# Altium PCB 控制板.PcbDoc (part 5 of 12) (continued)
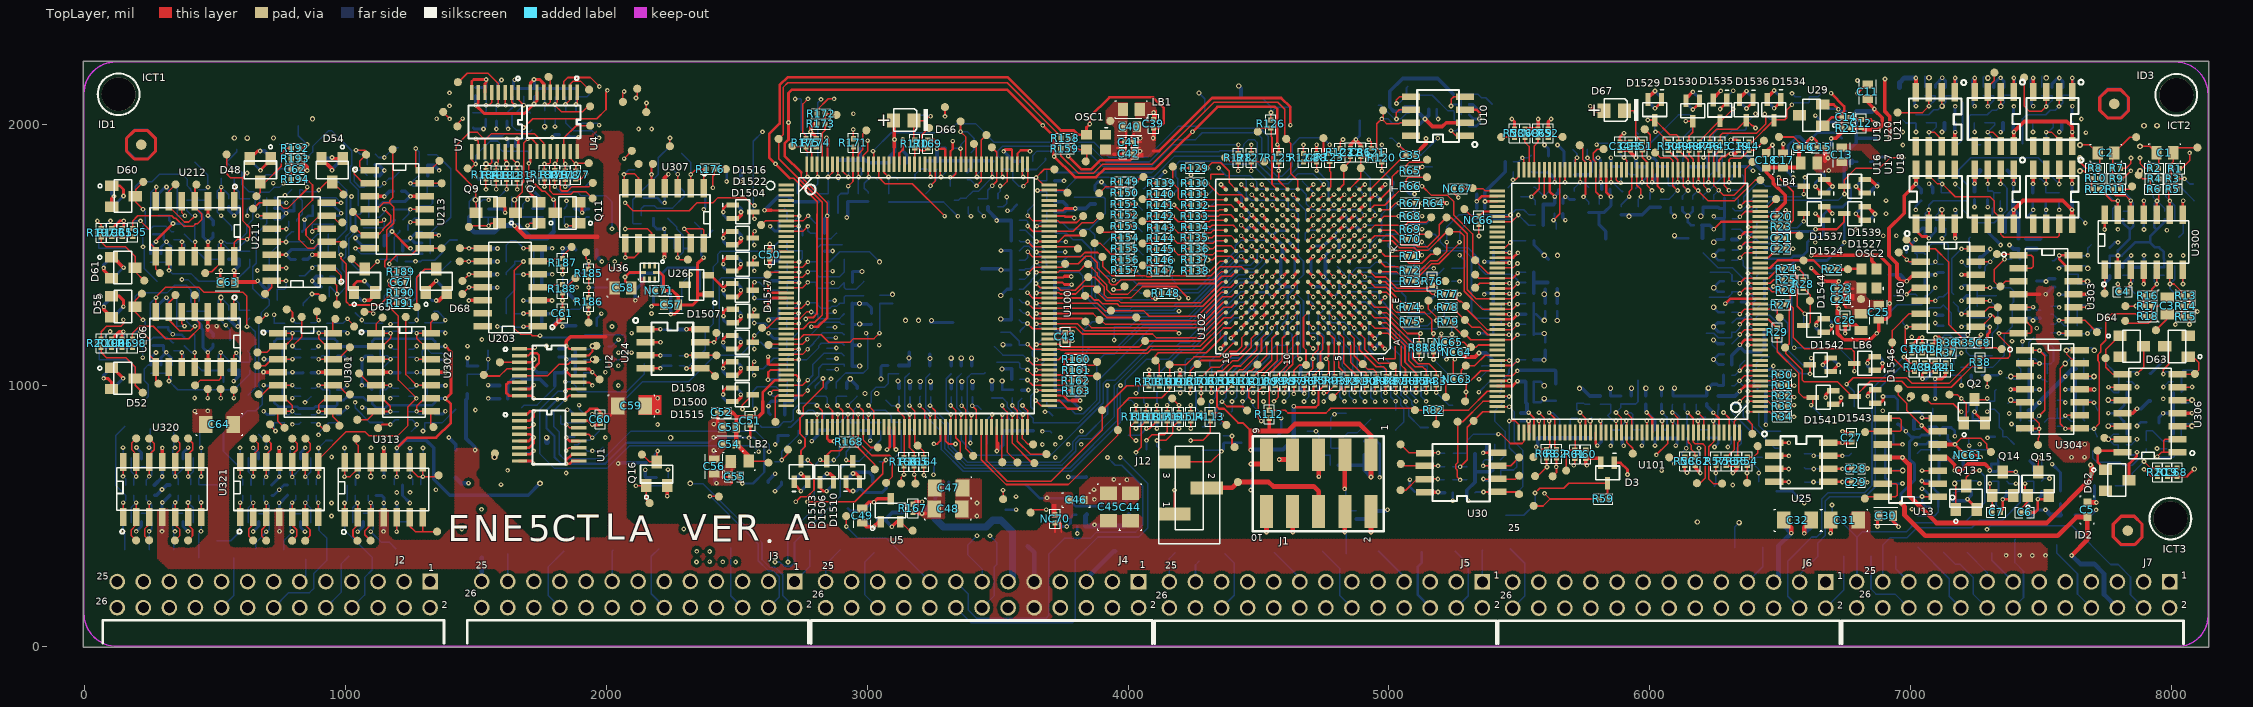
[diagram p0: TopLayer view]
## Nets (pads, with @x,y where several pads share a name; then routed paths per layer and width w, separated by ;. In a path a pad name is that pad's centre, name@x,y a point inside that pad or via, vN(x,y) a via of type N, cw(c..) or ccw(c..) an arc to the next point about the centre after c; other vN are vias at no path point) (continued)
NetR3_1: C121.2 pad.293@8084.2,1772.8 R3.1 R5.1 | length 189.1
  TopLayer w6: R5.1@8021.1,1753 8021.1,1791.7 R3.1@8021.9,1792.5 v1(8050.7,1792.5)
  BottomLayer w6: C121.2@8006.4,1853 8006.4,1836.8 8070.4,1772.8 pad.293@8084.2,1772.8
NetR4_2: C121.1 pad.300@7874.9,1808 R4.2 R6.2 | length 180.9
  TopLayer w6: pad.300@7874.9,1808 7889.5,1793.4 7918.6,1793.4 7919.9,1792.1 R6.2@7919.9,1753
  TopLayer w22: pad.300@7874.9,1808 v3(7879.9,1823)
  BottomLayer w6: v3(7879.9,1823) 7909.9,1853 C121.1@7941.9,1853
NetR5_2: C112.2 C113.2 pad.294@8087.1,1709 R5.2 TP277.1 U300.9 | length 367.8
  TopLayer w6: R5.2@7989.9,1753 7989.9,1712.5 v1(7994.4,1708)
  TopLayer w10: U300.9@7994.07,1655 7994.07,1707.67 v1(7994.4,1708)
  BottomLayer w6: C112.2@8013.2,1633.8 8013.2,1689.2 7979.4,1723 7979.4,1752.5 7990.7,1763.8 8032.3,1763.8 pad.294@8087.1,1709
NetR6_1: C114.1 C115.1 R6.1 TP278.1 U300.10 | length 269.4
  TopLayer w6: v1(7945.3,1707.5) 7951.1,1713.3 R6.1@7951.1,1753
  TopLayer w10: U300.10@7944.13,1655 7944.13,1706.33 v1(7945.3,1707.5)
  BottomLayer w6: TP278.1@7899.4,1763.4 7931.5,1731.3 7931.5,1721.3 7974.4,1678.4 C114.1@7974.4,1668.8 ; C115.1@7934.4,1669.2 7934.4,1696.6 v1(7945.3,1707.5)
NetR7_2: C2.2 pad.302@7865.3,1952.1 R7.2 R9.2 | length 210.3
  TopLayer w6: R9.2@7774.9,1793.4 7774.9,1885.9 7841.1,1952.1 pad.302@7865.3,1952.1
NetR8_1: C2.1 pad.283@7638.6,1928 R8.1 R10.1 | length 180.7
  TopLayer w6: v3(7650.3,1922.5) 7686.1,1922.5 7725.3,1883.3 R10.1@7725.3,1793.8
NetR9_1: C122.2 pad.299@7849.4,1763.4 R9.1 R11.1 | length 210.7
  TopLayer w6: v1(7844.9,1823) 7805.3,1783.4 R11.1@7805.3,1753 7839,1753 pad.299@7849.4,1763.4
  BottomLayer w6: C122.2@7781.4,1853 7814.9,1853 v1(7844.9,1823)
NetR10_2: C122.1 pad.286@7639.4,1813.8 R10.2 R12.2 | length 175.1
  TopLayer w6: v3(7649.9,1823) 7663.2,1823 7694.1,1792.1 R12.2@7694.1,1753.4
  BottomLayer w6: v3(7649.9,1823) 7679.9,1853 C122.1@7716.9,1853
NetR11_2: C117.1 C118.1 R11.2 TP280.1 U300.12 | length 312.2
  TopLayer w6: R11.2@7774.1,1753 7774.1,1739.5 7785.2,1728.4 7824.8,1728.4 v1(7844.4,1708.8)
  TopLayer w10: U300.12@7844.27,1655 7844.27,1708.67 v1(7844.4,1708.8)
  BottomLayer w6: TP280.1@7794.4,1766.3 7844.4,1716.3 v1(7844.4,1708.8) 7854.4,1698.8 C117.1@7854.4,1668.8 C118.1@7814.9,1668.8
NetR12_1: C119.2 C120.2 R12.1 TP279.1 U300.13 | length 333.2
  TopLayer w6: R12.1@7725.3,1753.4 7726.5,1753.4 7771.5,1708.4 v1(7794.9,1708.4)
  TopLayer w10: U300.13@7794.33,1655 v1@7794.33,1707.83
  BottomLayer w6: TP279.1@7704.4,1753 7734.4,1753 7779,1708.4 v1(7794.9,1708.4) 7794.9,1698 7775.2,1678.3 C119.2@7775.2,1633.4
NetR13_2: C106.1 C107.1 R13.2 TP281.1 U300.6 | length 276.8
  TopLayer w6: U300.6@7994.07,1444.2 7994.07,1390.03 7994.9,1389.2 8010.3,1389.2 8039.1,1360.4 R13.2@8039.1,1344.2
  BottomLayer w6: C107.1@8012.8,1458.8 8012.8,1407.5 v1(7994.9,1389.6) 7994.9,1371.5 TP281.1@8033.4,1333
NetR14_1: C105.2 pad.335 R13.1 R14.1 | length 213.3
  TopLayer w6: R13.1@8070.3,1344.2 8070.3,1313.8 v1(8099.9,1284.2)
  BottomLayer w6: C105.2@7975.6,1243.8 7996.8,1265 8080.7,1265 v1(8099.9,1284.2)
NetR15_2: C3.1 pad.298@7940.7,1212.1 R14.2 R15.2 | length 177.7
  TopLayer w6: pad.298@7940.7,1212.1 7984.4,1255.8 C3.1@7984.4,1273 8010.2,1273 8019,1264.2 8039.5,1264.2 R14.2@8039.5,1304.2
NetR16_1: C108.1 C109.1 R16.1 TP282.1 U300.5 | length 248.6
  TopLayer w6: R16.1@7924.9,1344.6 7924.9,1368.8 7944.13,1388.03 U300.5@7944.13,1444.2
  BottomLayer w6: TP282.1@7924.4,1333.8 7924.4,1369.2 v1(7944.4,1389.2) 7934.4,1399.2 C109.1@7934.4,1423 7934.9,1422.5 C108.1@7973.6,1422.5
NetR17_2: C105.1 pad.296@7824,1304.6 pad.334 R16.2 R17.2 | length 226.4
  TopLayer w6: pad.296@7824,1304.6 R17.2@7894.1,1304.6 7893.7,1305 R16.2@7893.7,1344.6
  BottomLayer w6: pad.334@7826.9,1303.8 7863.2,1303.8 7911.1,1255.9 C105.1@7911.1,1243.8
  other v1: 7864.4,1305
NetR18_1: C3.2 pad.295@7823.2,1247.5 R17.1 R18.1 | length 234.5
  TopLayer w6: pad.295@7823.2,1247.5 7832.7,1238 7911.6,1238 7925.3,1251.7 7925.3,1299.7 7929.8,1304.2 7951.1,1304.2 C3.2@7984.4,1337.5
NetR20_2: pad.199@5091.5,1300.5 R20.2 R74.2 | length 3716.7
  TopLayer w6: R74.2@5096.9,1300.5 5125.8,1300.5 v1(5126.5,1299.8) ; v1(7895.3,678.8) 7921.9,652.2 R20.2@7947.4,652.2
  MidLayer2 w6: v1(5126.5,1299.8) 5144.2,1317.5 5192,1317.5 5210.3,1299.2 5448.2,1299.2 5455.3,1292.1 6026.5,1292.1 6179.4,1139.2 6455.3,1139.2 6499.9,1183.8 6910.3,1183.8 6925.3,1168.8 7166.1,1168.8 7218.6,1221.3 7274,1221.3 7379,1116.3 7490.7,1116.3 7504,1103 7639.9,1103 7666.2,1076.7 7752.8,1076.7 7858.6,970.9 8025.2,970.9 8099.9,896.2 8099.9,797.1 7981.6,678.8 v1(7895.3,678.8)
  BottomLayer w6: pad.199@5091.5,1300.5 5125.8,1300.5 v1(5126.5,1299.8)
NetR22_1: pad.272@6589.9,1480 R22.1 U101.29 | length 286.4
  TopLayer w8: U101.29@6424,1450.78 6461.38,1450.78 6490.9,1480.3 6628.1,1480.3 6663.4,1445 R22.1@6683.6,1445
NetR28_1: D1544.3 pad.270@6614.4,1325 R24.2 R28.1 | length 269.5
  TopLayer w6: R24.2@6539.8,1445.5 6540,1445.5 6564.9,1420.6 6564.9,1394.6 6585.7,1373.8 6589,1373.8 6615.1,1347.7 6615.1,1240.7 6603.8,1229.4 6589.85,1229.4 D1544.3@6588.8,1230.45
NetR37_1: pad.274@6985.3,1559.6 R35.2 R36.1 R37.1 U50.1 | length 603.7
  TopLayer w6: pad.274@6985.3,1559.6 7020.3,1524.6 7095.3,1524.6 7146.1,1473.8 7146.1,1234.6 7194.5,1186.2 R35.2@7194.5,1165 7156.5,1165 7155.3,1163.8 R37.1@7155.3,1125
NetR38_2: D1543.3 pad.267@6519.4,1145.5 R27.2 R38.2 | length 1103.9
  TopLayer w6: R27.2@6519.8,1310.5 6534.9,1295.4 6534.9,1160.7 6521.1,1146.9 6521.1,1123.6 6584.2,1060.5 6584.2,1022.2 6591.8,1014.6 6719.9,1014.6 6778.6,955.9 6784.9,955.9 6845.3,1016.3 6966.1,1016.3 6988.6,993.8 7156.5,993.8 7236.1,1073.4 R38.2@7266.9,1073.4
NetR39_2: C10.1 pad.314 R37.2 R39.2 R40.2 TP214.1 U50.7 | length 389.8
  TopLayer w6: U50.7@7039.4,1225 6985.5,1225 6979.9,1219.4 6979.9,1139.6 6994.5,1125 R37.2@7124.1,1125
  BottomLayer w6: pad.314@6970.3,1254.6 6970.3,1239.4 v1(6985.1,1224.6) 7025.7,1224.6 TP214.1@7040.7,1239.6
NetR43_2: pad.268@6929.9,1165 R43.2 U50.6 | length 344.2
  TopLayer w6: R43.2@7014.9,1054.7 6984.8,1054.7 6930.7,1108.8 6930.7,1211.3 6994.33,1274.93 U50.6@7039.4,1274.93
NetR51_2: pad.250@5981.1,1982.5 R51.2 R391.1 U101.63 | length 319.4
  TopLayer w6: pad.250@5981.1,1982.5 6002.1,1961.5 6002.1,1913.6 5991.1,1902.6 R51.2@5971.5,1902.6 5971.5,1875.3 5990.27,1856.53 5990.27,1767.13 v1(6009.2,1748.2)
  BottomLayer w6: R391.1@6001.3,1714.8 6001.3,1740.3 v1(6009.2,1748.2)
NetR63_1: pad.236@5560.7,653 R63.1 R520.2 | length 3254.6
  TopLayer w6: pad.236@5560.7,653 5570.7,653 5604.4,686.7 R63.1@5604.4,722.5
  MidLayer2 w6: v1(3721.5,724.4) 3731,724.4 3827.9,627.5 3893.2,627.5 3916.5,604.2 4152.7,604.2 4172.7,624.2 4480.7,624.2 4500.7,604.2 4709.9,604.2 4758.9,653.2 4895.6,653.2 4928.3,620.5 5539,620.5 v1(5606.5,688)
  MidLayer3 w6: v1(3397.8,1649.6) 3397.8,1308.3 3581.5,1124.6 3665.7,1124.6 3704,1086.3 3704,741.9 v1(3721.5,724.4)
  BottomLayer w6: R520.2@3387.4,1684.7 3387.4,1660 v1(3397.8,1649.6)
NetR65_1: pad.160@5166.9,1839.2 R65.1 R404.2 U101.79 | length 741.3
  TopLayer w6: R65.1@5097.8,1823.8 5113.2,1823.8 v1(5128,1838.6) ; v1(5675.1,1779.6) 5675.31,1779.81 U101.79@5675.31,1827.6
  MidLayer2 w6: v1(5128,1838.6) 5134.1,1832.5 5380.9,1832.5 5444.8,1768.6 5570.6,1768.6 5578.5,1760.7 5657.6,1760.7 5675.1,1778.2 v1(5675.1,1779.6)
  BottomLayer w6: v1(5128,1838.6) 5166.7,1838.6 pad.160@5166.9,1838.8 ; R404.2@5671.5,1808 5675.1,1804.4 v1(5675.1,1779.6)
NetR66_1: pad.213@5330.7,1480.5 R66.1 R452.1 U101.105 | length 569.2
  TopLayer w6: R66.1@5098,1764.2 5128,1764.2 5163.2,1729 5225.3,1729 5248.4,1705.9 5248.4,1654 5321.1,1581.3 5321.1,1489.4 5379.4,1431.1 U101.105@5415.2,1431.1
  BottomLayer w6: R452.1@5097.4,1764.2 5126.9,1764.2 v1(5127.1,1764)
NetR69_1: pad.174@5641.1,1599.6 R69.1 R405.1 U101.80 | length 817.4
  TopLayer w6: R69.1@5097.4,1599.8 v1@5126.7,1599.8 ; v1(5631.1,1634.2) 5655.62,1658.72 U101.80@5655.62,1827.6
  MidLayer2 w6: v1(5126.9,1599.6) 5161.5,1634.2 v1(5631.1,1634.2)
  BottomLayer w6: v1(5631.1,1634.2) 5641.1,1624.2 pad.174@5641.1,1599.6
  BottomLayer w8: v1(5631.1,1634.2) 5635.7,1638.8 R405.1@5635.7,1659.6
NetR70_1: pad.191@5179,1517.1 R70.1 R426.2 U101.115 | length 682.8
  TopLayer w6: R70.1@5097.8,1560 5116.7,1560 v1(5126.7,1550) ; U101.115@5415.2,1234.25 5461.45,1234.25 v1(5461.9,1233.8)
  BottomLayer w6: v1(5126.7,1550) 5159.6,1517.1 5290.7,1517.1 5316.9,1490.9 5316.9,1277.6 5335.7,1258.8 5427.4,1258.8 5431.1,1255.1 R426.2@5431.1,1235 5460.7,1235 v1(5461.9,1233.8)
NetR71_1: pad.185@4997.4,1546.3 R71.1 R451.2 U101.104 | length 820.1
  TopLayer w6: v1(5014,1516.3) 5086.5,1516.3 5097.6,1505.2 R71.1@5097.6,1495.5 ; U101.104@5415.2,1450.78 5476.18,1450.78 v1(5493.2,1467.8)
  MidLayer2 w6: v1(5014,1516.3) 5082.5,1447.8 5144.2,1447.8 5161.3,1430.7 5180.7,1430.7 5198.6,1448.6 5474,1448.6 v1(5493.2,1467.8)
  BottomLayer w6: pad.185@4997.4,1546.3 4997.4,1532.9 v1(5014,1516.3) 5057.7,1560 R451.2@5066.2,1560
NetR72_1: pad.175@5271.5,1654.8 R72.1 R409.1 U101.94 | length 677.1
  TopLayer w6: R72.1@5097.6,1440.3 5120.7,1440.3 5159.6,1479.2 5187.3,1479.2 5222.1,1514 v1(5222.1,1549.6) ; U101.94@5415.2,1647.63 5459.93,1647.63 v1(5466.3,1654)
  BottomLayer w6: v1(5222.1,1549.6) 5222.1,1608.1 5268.2,1654.2 5466.1,1654.2 5486.1,1674.2 5516.9,1674.2 5536.9,1654.2 R409.1@5560.7,1654.2
NetR73_1: pad.176@5271.3,1594 R73.1 R408.1 U101.95 | length 704.7
  TopLayer w6: R73.1@5097.4,1400.3 5097.4,1400.7 5163.4,1466.7 5191.3,1466.7 5271.1,1546.5 v1(5271.1,1549.6) ; U101.95@5415.2,1627.95 5470.65,1627.95 v1(5496.7,1654)
  BottomLayer w6: v1(5271.1,1549.6) 5271.1,1593.8 5314.8,1637.5 5480.2,1637.5 v1(5496.7,1654) 5536.5,1614.2 R408.1@5560.3,1614.2
NetR77_1: pad.216@5295.7,1305 R77.1 R417.1 U101.116 | length 353.4
  TopLayer w6: R77.1@5242.1,1349.8 5242.6,1349.8 5270.1,1322.3 5278.4,1322.3 5300.7,1300 5300.7,1290.1 5376.24,1214.56 5473.76,1214.56 v1(5493,1233.8)
  BottomLayer w6: v1(5493,1233.8) 5493.6,1234.4 R417.1@5525.5,1234.4
NetR78_1: pad.218@5291.5,1251.3 R78.1 R425.2 U101.117 | length 293.2
  TopLayer w6: R78.1@5241.5,1300.5 5241.7,1300.5 5318,1224.2 5349.2,1224.2 5378.8,1194.6 v1(5460.9,1194.6)
  BottomLayer w6: R425.2@5431.1,1195 5460.5,1195 v1(5460.9,1194.6)
NetR79_1: pad.219@5289.9,1200 R79.1 R416.1 U101.118 | length 328.1
  TopLayer w6: R79.1@5242.4,1245.5 5242.4,1231.9 5274.3,1200 5289.3,1200 5314.11,1175.19 5473.99,1175.19 v1(5493.2,1194.4)
  BottomLayer w6: v1(5493.2,1194.4) 5494.1,1195.3 R416.1@5525.1,1195.3
NetR109_1: pad.176@3960.9,829.4 R108.1 R109.1 U100.79 | length 1150.7
  TopLayer w6: U100.79@3437.69,840.8 3437.69,715.51 3532.5,620.7 3771.3,620.7 3961.1,810.5 3961.1,909.4 4004.5,952.8 4129.1,952.8 4159.4,983.1 R109.1@4159.4,999.6 4159.6,999.8 R108.1@4199.2,999.8
NetR110_1: pad.175@3900.7,905.5 R110.1 R111.1 U100.80 | length 1020.2
  TopLayer w6: U100.80@3457.38,840.8 3457.38,712.52 3536.7,633.2 3704.9,633.2 3901.1,829.4 3901.1,905.1 3994.8,998.8 4120.1,998.8 R110.1@4120.5,999.2
NetR120_2: C264.2 pad.180@5018.8,1769.4 R120.2 U102.J3 | length 491.5
  TopLayer w6: U102.J3@4886.76,1476.46 v1(4907.4,1495.9) ; R120.2@4972.6,1857.8 4972.6,1824.4 v1(4973.2,1823.8)
  BottomLayer w6: v1(4907.4,1495.9) 4908.4,1495.9 4927.6,1515.1 4927.6,1542.4 4971.9,1586.7 4971.9,1655.9 4992.8,1676.8 4992.8,1710.1 5016.9,1734.2 5016.9,1767.5 pad.180@5018.8,1769.4 5018.8,1779.4 4972.4,1825.8 C264.2@4972.4,1858.8
NetR126_2: pad.199@4497.4,1973.4 R126.2 U102.T11 | length 301
  TopLayer w6: pad.199@4497.4,1973.4 4511.2,1987.2 R126.2@4547.4,1987.2 4548.4,1986.2 4548.4,1955 4552.1,1951.3 4552.1,1771.75 U102.T11@4571.8,1752.05
NetR149_1: pad.117@2243.6,1917.5 R149.1 R593.1 | length 2309
  TopLayer w6: pad.117@2243.6,1917.5 v1(2243.6,1948.8) ; v1(3939.9,1780.5) 3940.5,1781.1 R149.1@3970.9,1781.1
  MidLayer2 w6: v1(2243.6,1948.8) 2270.3,1922.1 2629.4,1922.1 2717.8,1833.7 2717.8,1822.9 2759.4,1781.3 3134,1781.3 3166.1,1749.2 3427.3,1749.2 3461.5,1783.4 3556.6,1783.4 3589.9,1816.7 3771.1,1816.7 3790.7,1797.1 3923.3,1797.1 v1(3939.9,1780.5)
  BottomLayer w6: R593.1@2134,1620 2104.9,1620 2101.5,1623.4 2101.5,1712.1 2198.6,1809.2 2198.6,1872.9 2243.6,1917.9 v1(2243.6,1948.8)
NetR158_1: pad.125@2660.3,1945.5 R158.1 U100.29 | length 2272.9
  TopLayer w6: U100.29@2689,1217.62 2754.42,1217.62 2779.1,1242.3 2799.2,1242.3 2827.6,1270.7 2827.6,1702.9 2660.5,1870 2660.5,1944.9 2678.8,1963.2 2678.8,2144.2 2695.1,2160.5 3536.5,2160.5 3742.8,1954.2 R158.1@3742.8,1948.4
NetR160_2: pad.122@3496.5,1089.6 R160.2 R499.1 U100.95 | length 370.9
  TopLayer w6: v1(3614.6,1060) 3634.15,1040.45 3748.85,1040.45 3754.6,1046.2 3754.6,1093.2 3762.1,1100.7 R160.2@3786.6,1100.7
  BottomLayer w6: pad.122@3496.5,1089.6 3579.8,1089.6 3585.3,1084.1 3585.3,1070.6 3591.5,1064.4 3610.2,1064.4 v1(3614.6,1060)
NetR161_2: pad.173@3881.5,1090.5 R161.2 R473.2 U100.94 | length 309.3
  TopLayer w6: v1(3649,1020) 3744.6,1020 3786.7,1062.1 3786.7,1072.6 3792.3,1078.2 3869.2,1078.2 pad.173@3881.5,1090.5
  BottomLayer w6: v1(3649,1020) 3649.4,1019.6 R473.2@3690.3,1019.6
NetR170_1: pad.139@3236.9,1988 R169.1 R170.1 U100.155 | length 228.9
  TopLayer w6: U100.155@3181.78,1848.5 3181.78,1909.68 3182.8,1910.7 3196,1910.7 3206.9,1899.8 3221.7,1899.8 R169.1@3232.4,1910.5 3217.6,1910.5 3208.6,1919.5 3208.6,1959.7 pad.139@3236.9,1988
NetR176_1: D1500.3 pad.124@2457.8,1829.6 R176.1 R555.2 | length 1867.3
  TopLayer w6: v1(2408.2,1758.2) 2407.8,1758.6 2407.8,1802.3 2413.6,1808.1 R176.1@2413.6,1830 2457.4,1830 pad.124@2457.8,1829.6 ; D1500.3@2561.4,1065.45 2561.4,1086.2 v1(2566.9,1091.7)
  MidLayer2 w6: v1(2566.9,1091.7) 2624,1091.7 2652.1,1119.8 2825.6,1119.8 2842,1103.4 v1(2881.9,1103.4)
  MidLayer3 w6: v1(2408.2,1758.2) 2470.9,1820.9 2935.5,1820.9 2948.8,1807.6 2948.8,1793.2 3002.8,1739.2 3002.8,1235.5 2941.9,1174.6 2941.9,1163.4 v1(2881.9,1103.4)
  BottomLayer w6: R555.2@2844.4,1102.5 2881,1102.5 v1(2881.9,1103.4)
NetR179_1: C391.1 pad.112@1947.8,1777.1 R179.1 U4.13 | length 325.6
  TopLayer w6: U4.13@1810.91,1897.1 1810.91,1857.71 v1(1802.8,1849.6) 1802.8,1823.8 1806.3,1823.8 1822.8,1807.3 1822.8,1752.1 1829,1745.9 1851.4,1745.9 1868.3,1762.8 1933.5,1762.8 pad.112@1947.8,1777.1
  BottomLayer w6: v1(1802.8,1849.6) 1803.2,1849.2 C391.1@1803.2,1823.4
NetR185_1: C381.1 pad.110@1921.9,1510.9 Q29B.3 R185.1 R187.2 R607.1 | length 325.6
  TopLayer w6: v1(1831.9,1426.3) R187.2@1831.9,1455.5 ; pad.110@1921.9,1510.9 1921.9,1487.2 1931.9,1477.2 R185.1@1931.9,1446.5
  BottomLayer w6: C381.1@1832.4,1455 R607.1@1832.4,1386.3 1844.4,1386.3 1888.6,1430.5 Q29B.3@1923.2,1430.5 1923.2,1467.5 v1(1932.4,1476.7)
NetR186_2: C61.1 pad.107@1931.5,1241.3 Q28B.3 R186.2 R188.2 R606.1 | length 314.3
  TopLayer w6: C61.1@1831.7,1292.3 R188.2@1831.7,1355.7 ; pad.107@1931.5,1241.3 1931.5,1305.9 R186.2@1931.9,1306.3
  BottomLayer w6: v1(1831.5,1326.3) 1831.5,1291.7 1896.5,1291.7 1922.8,1318 Q28B.3@1922.8,1319.6 1922.8,1284.6 v1(1931.5,1275.9)
NetR187_1: pad.109@1866.9,1531.3 R187.1 U203.6 | length 158.4
  TopLayer w6: U203.6@1736.9,1476.37 1792.87,1476.37 1803.2,1486.7 R187.1@1831.9,1486.7 1831.9,1496.3 pad.109@1866.9,1531.3
NetR188_1: pad.108@1881.5,1411.7 R188.1 U203.4 | length 159.2
  TopLayer w6: U203.4@1736.9,1376.5 1788.4,1376.5 1798.8,1386.9 1856.7,1386.9 pad.108@1881.5,1411.7
NetR189_1: pad.67@1180.7,1905.5 R189.1 U213.4 | length 616.6
  TopLayer w6: U213.4@1093.2,1675.7 1120.5,1675.7 1145.3,1700.5 1168.6,1700.5 ; pad.67@1180.7,1905.5 1180.3,1905.1 1180.3,1720.1 1168.6,1708.4 1168.6,1700.5 ; R189.1@1196.9,1435.9 1170.3,1435.9 1149.9,1456.3 1149.9,1476.3 1158.2,1484.6 1158.2,1595.9 1184.9,1622.6 1184.9,1684.2 1168.6,1700.5
NetR191_2: C67.2 D68.3 pad.81@1272.4,1300.9 R189.2 R190.2 R191.2 | length 372
  TopLayer w6: R189.2@1228.1,1435.9 1228.1,1318 1245.2,1300.9 pad.81@1272.4,1300.9 1272.8,1301.3 1272.8,1415.1 1304,1446.3 D68.3@1348.2,1446.3
NetR192_1: C62.1 D48.3 pad.65@658.2,1725.9 R192.1 R193.1 R194.1 | length 380.2
  TopLayer w6: pad.65@658.2,1725.9 672.8,1740.5 D48.3@672.8,1780 692.8,1780 753.2,1840.4 753.2,1888.4 774.8,1910 791.1,1910 R192.1@791.9,1909.2 R194.1@791.9,1790.5
NetR194_2: pad.59@991.9,1540.9 R194.2 U211.4 | length 487.5
  TopLayer w6: R194.2@823.1,1790.5 851.5,1790.5 873.2,1768.8 873.2,1710.9 821.5,1659.2 821.5,1560 854.4,1527.1 879.4,1527.1 903.4,1551.1 U211.4@927.4,1551.1 981.7,1551.1 pad.59@991.9,1540.9
NetR195_2: pad.2@427.8,1770.5 R195.2 U212.4 | length 474.3
  TopLayer w6: R195.2@184,1602.5 184,1630.9 203.6,1650.5 334,1650.5 342.8,1641.7 348.6,1641.7 379,1611.3 416.5,1611.3 425.2,1620 431.9,1620 448.2,1636.3 448.2,1657.5 422.6,1683.1 U212.4@422.6,1706.3 422.6,1765.3 pad.2@427.8,1770.5
NetR197_1: C65.2 D61.3 pad.4@228.2,1402.1 R195.1 R196.1 R197.1 | length 401
  TopLayer w6: R195.1@184,1571.3 64.5,1571.3 63.6,1570.4 63.6,1550.4 82.7,1531.3 157.4,1531.3 192.8,1495.9 D61.3@192.8,1452.1 192.8,1437.5 pad.4@228.2,1402.1
NetR198_2: pad.7@421.9,1346.7 R198.2 U206.4 | length 461
  TopLayer w6: R198.2@182.8,1177.9 182.8,1200 209.9,1227.1 262.4,1227.1 310.3,1179.2 398.6,1179.2 439.9,1220.5 439.9,1240.4 421.9,1258.4 pad.7@421.9,1346.7
NetR200_1: C66.1 D52.3 pad.10@222.4,972.5 R198.1 R199.1 R200.1 | length 404.2
  TopLayer w6: R198.1@182.8,1146.7 R200.1@62.8,1146.7 62.8,1127.5 83.6,1106.7 158.6,1106.7 194,1071.3 194,1000.9 pad.10@222.4,972.5
NetR251_2: pad.341 R251.2 U306.5 | length 100.1
  TopLayer w6: U306.5@8024,943.93 8078.33,943.93 v3(8079,944.6)
  BottomLayer w6: R251.2@8039,933 8067.4,933 v3(8079,944.6)
NetR253_2: pad.340 R252.2 R253.2 R254.2 U306.6 | length 230.9
  TopLayer w6: U306.6@8024,993.87 8079.57,993.87 v1(8079.9,994.2)
  BottomLayer w6: v1(8079.9,994.2) 8059.4,994.2 R252.2@8039,973.8 8039,1052.1 8045.3,1058.4 pad.340@8083.6,1058.4
NetR254_1: D63.3 pad.282@7503.6,2185.9 R254.1 R329.1 R335.2 | length 2713.5
  TopLayer w6: v1(7969.4,1044.6) 7969.4,1060.4 7990.3,1081.3 7990.3,1135 D63.3@7974.9,1150.4
  MidLayer2 w6: v1(7120.7,1563.8) 7152.8,1595.9 7208.2,1595.9 7227,1577.1 7701.2,1577.1 7754.5,1523.8 8004,1523.8 8012.8,1515 8012.8,1296.3 8041.1,1268 8041.1,1116.3 v1(7969.4,1044.6)
  MidLayer3 w6: v1(7120.7,1563.8) 7095.3,1589.2 7095.3,1809.2 7190.7,1904.6 7190.7,2153.4 7236.5,2199.2 7350.7,2199.2 7387.8,2162.1 7502.8,2162.1 v3(7520.3,2179.6)
  BottomLayer w6: v1(7120.7,1563.8) 7134.9,1578 R329.1@7134.9,1603.4 ; pad.282@7503.6,2185.9 7504,2185.5 R335.2@7504,2142.9 ; v1(7969.4,1044.6) 7978.2,1053.4 R254.1@8008.2,1053.4
NetR255_2: D1542.3 pad.266@7056.9,953 R255.2 R355.2 | length 2122.9
  TopLayer w6: v1(6614.6,1044.8) D1542.3@6614.6,1079.65 ; pad.266@7056.9,953 7056.9,952.6 7079,930.5 7164,930.5 v1(7194.9,899.6)
  MidLayer2 w6: v1(6614.6,1044.8) 6627.3,1032.1 6952.4,1032.1 6986.1,998.4 7054.4,998.4 7069,983.8 7069,936.8 7077.4,928.4 7166.1,928.4 v1(7194.9,899.6) 7216.2,920.9 7313.6,920.9 7359,966.3 7532.8,966.3 7585.3,913.8 7765.3,913.8 7789.5,889.6 7897.8,889.6 7945.3,842.1 v1(7945.3,758.4)
  BottomLayer w6: R355.2@6440.4,1249.6 6462.8,1249.6 6469.4,1243 6469.4,1156.4 6581,1044.8 v1(6614.6,1044.8) ; v1(7945.3,758.4) 7946.6,757.1 R255.2@7981.5,757.1
NetR256_1: pad.347 Q1B.3 R256.1 | length 276.1
  BottomLayer w6: pad.347@7699,750.5 7699,722.2 7715.7,705.5 7803.5,705.5 7814.4,694.6 7850.7,694.6 7903.2,747.1 R256.1@7903.2,757.5
NetR256_2: C100.2 C102.1 pad.342 R250.2 R256.2 R257.1 U306.3 | length 356.5
  TopLayer w6: U306.3@8024,844.07 8078.47,844.07 v3(8079,844.6)
  BottomLayer w6: R256.2@7903.2,788.7 7903.2,827.1 7927.8,827.1 7968.6,786.3 8033.2,786.3 8038.6,791.7 C100.2@8038.6,853.8 8077.8,853.8 pad.342@8082.8,858.8
NetR258_1: D62.3 pad.278@7055.3,2185.5 R258.1 R322.1 R343.2 | length 2973.9
  TopLayer w10: D62.3@7837.8,637.1 7837.8,700.1 7868.2,730.5 v1(7868.2,744.6)
  MidLayer2 w6: v3(7071.1,2180) 7074,2180 7109,2145 7796.6,2145 v3(7945.3,1996.3) ; v1(7570.3,1673.8) 7597,1700.5 7763.6,1700.5 7810.3,1653.8 7924.5,1653.8 v1(7982.8,1595.5)
  MidLayer3 w6: v1(7868.2,744.6) 7944.4,820.8 7944.4,1137.9 7977.4,1170.9 7977.4,1590.1 v1(7982.8,1595.5) 7969.4,1608.9 7969.4,1972.2 v3(7945.3,1996.3)
  BottomLayer w6: pad.278@7055.3,2185.5 7055.7,2185.1 R343.2@7055.7,2142.9 ; R322.1@7569.4,1708 7569.4,1674.7 v1(7570.3,1673.8) ; R258.1@7828.2,733.8 7857.4,733.8 v1(7868.2,744.6)
NetR259_2: pad.291@7743.2,799.6 R258.2 R259.2 R260.2 U306.13 | length 205.2
  TopLayer w6: pad.291@7743.2,799.6 7748.67,794.13 U306.13@7813.2,794.13
  BottomLayer w6: R259.2@7796.6,773.8 7779,773.8 v3(7758.6,794.2) 7778.2,813.8 R260.2@7797.4,813.8 ; R258.2@7797,733.8 R259.2@7797,773.4
NetR261_2: pad.345 R261.2 U306.12 | length 88.1
  TopLayer w6: v3(7758.2,844.2) 7758.33,844.07 U306.12@7813.2,844.07
  BottomLayer w6: v3(7758.2,844.2) 7767.4,853.4 R261.2@7787.4,853.4
NetR264_2: pad.337 R263.2 R264.2 R265.2 U306.9 | length 248
  TopLayer w6: v1(7759,993.8) 7759.07,993.87 U306.9@7813.2,993.87
  BottomLayer w6: pad.337@7745.5,1088.8 7781.7,1052.6 7797.8,1052.6 R263.2@7797.8,973.4 7779.4,973.4 v1(7759,993.8)
NetR265_1: D64.3 pad.281@7283.6,2186.3 R265.1 R323.1 R339.1 | length 1828
  TopLayer w6: v1(7868.6,1045) 7894,1070.4 D64.3@7894,1150.1
  MidLayer2 w6: v1(7345.7,1673.8) 7376.5,1643 7751.1,1643 7794.9,1599.2 v1(7794.9,1598.8)
  MidLayer3 w6: v3(7296.5,2179.2) 7327.4,2148.3 7327.4,1692.1 v1(7345.7,1673.8) ; v1(7794.9,1598.8) 7812.8,1580.9 7812.8,1100.8 v1(7868.6,1045)
  BottomLayer w6: R339.1@7279.4,2143 7279.4,2182.1 pad.281@7283.6,2186.3 ; R323.1@7344.9,1708 7344.9,1674.6 v1(7345.7,1673.8) ; R265.1@7829.9,1053.4 7860.2,1053.4 v1(7868.6,1045)
NetR267_2: pad.257@6373.2,627.1 R54.2 R267.2 | length 1437.2
  TopLayer w6: pad.257@6373.2,627.1 6373.8,627.7 R54.2@6373.8,694.1
  MidLayer2 w6: v1(6373.2,664.6) 6373.2,685.1 6441.1,753 7081.5,753 7129.5,705 7376.9,705 7418.2,746.3 7512,746.3 7514.9,743.4 7514.9,662.1 v1(7533.2,643.8)
  BottomLayer w6: R267.2@7503.1,633.8 7513.1,643.8 v1(7533.2,643.8)
NetR269_2: C126.1 pad.344 R269.2 R270.1 U304.10 | length 213.7
  TopLayer w6: U304.10@7649.4,935.27 7702.53,935.27 v1(7703.6,934.2)
  BottomLayer w6: R269.2@7667.4,864.2 7663.2,868.4 C126.1@7663.2,943.4 7694.4,943.4 v1(7703.6,934.2) pad.344@7718.2,903.6
NetR272_1: C128.1 pad.339 R271.1 R272.1 U304.12 | length 179
  TopLayer w6: U304.12@7649.4,1035.13 7703.07,1035.13 v3(7703.6,1034.6)
  BottomLayer w6: R272.1@7663.6,1103.8 C128.1@7663.6,1023.8 7694,1023.8 v3@7704,1033.8
NetR273_1: pad.336 Q4B.3 R25.2 R273.1 | length 1453
  TopLayer w6: R25.2@6540.2,1405.5 6540.2,1402.7 6565.5,1377.4 6565.5,1304.4 v1(6594.6,1275.3)
  MidLayer2 w6: v1(6594.6,1275.3) 6992.1,1275.3 7044,1223.4 7121.5,1223.4 7145.2,1247.1 7323.2,1247.1 7365.3,1205 7365.3,1167.9 7380.7,1152.5 7686.9,1152.5 v3(7704.4,1135)
  BottomLayer w6: Q4B.3@6590.4,1230.05 6590.4,1271.1 v1(6594.6,1275.3) ; R273.1@7664.4,1144.6 7694.8,1144.6 v3(7704.4,1135)
NetR275_2: C125.2 pad.349 R274.1 R275.2 U304.9 | length 227.1
  TopLayer w6: v1(7593.6,884.6) 7594.33,885.33 U304.9@7649.4,885.33
  BottomLayer w6: pad.349@7514,859.2 7529.4,874.6 7583.6,874.6 v1(7593.6,884.6) 7614.5,863.7 C125.2@7627.4,863.7 ; R274.1@7562.8,874.6 R275.2@7562.8,913
NetR276_1: C139.2 pad.321 R276.1 R277.2 U304.2 | length 273.5
  TopLayer w6: U304.2@7438.6,1085.07 7493.93,1085.07 v1(7494.4,1084.6)
  BottomLayer w6: C139.2@7453.2,1103 7476,1103 7494.8,1084.2 7538.6,1084.2 7548.2,1093.8 7548.2,1144.6 pad.321@7533.2,1159.6 ; R277.2@7522.8,1083.4 7523.6,1082.6 R276.1@7523.6,1045
NetR278_1: C130.2 pad.333 R278.1 R279.2 U303.10 | length 177.3
  TopLayer w6: U303.10@7625.2,1299.87 7679.27,1299.87 v3(7679.4,1300)
  BottomLayer w6: R278.1@7638.6,1229.6 7638.6,1308.4 7671,1308.4 v3(7679.4,1300)
NetR280_1: C4.2 pad.331 R280.1 R281.1 U300.3 | length 210.7
  TopLayer w6: C4.2@7829.8,1359.6 7829.8,1376.2 7844.27,1390.67 U300.3@7844.27,1444.2
  BottomLayer w6: R281.1@7814,1423 7853.5,1423 7853.5,1399.9 v1(7843.6,1390) 7843.6,1368.8 pad.331@7859.4,1353
NetR283_1: C132.2 pad.330 R283.1 R284.1 U303.12 | length 178
  TopLayer w6: U303.12@7625.2,1399.73 7678.47,1399.73 v3(7679,1399.2)
  BottomLayer w6: R284.1@7604.4,1427.5 7643.9,1427.5 7643.9,1407.5 7639.8,1403.4 C132.2@7639.8,1388.4 7668.2,1388.4 v3(7679,1399.2)
NetR285_1: pad.328 Q7B.3 R285.1 R364.2 | length 1645.2
  MidLayer2 w6: v1(6634.9,1549) 6653.4,1567.5 6860.6,1567.5 6885.6,1592.5 7067.8,1592.5 7114.8,1545.5 7198.4,1545.5 7211.7,1558.8 7622.4,1558.8 v1@7679.9,1501.3
  MidLayer3 w6: v1(6595.7,1798.4) 6595.7,1782.6 6562.4,1749.3 6562.4,1733 6555.3,1725.9 6555.3,1598.8 6605.1,1549 v1(6634.9,1549)
  BottomLayer w6: R364.2@6495.6,1764.6 6590.45,1764.6 6592.4,1766.55 6592.4,1795.1 v1(6595.7,1798.4) ; R285.1@7639.4,1498.4 7679.1,1498.4 v1(7679.9,1499.2) 7679.9,1526.7 pad.328@7692.4,1539.2
NetR287_2: C129.1 pad.294@7714.4,1204.6 R286.1 R287.2 U303.9 | length 280
  TopLayer w6: v1(7569.4,1250) 7669,1250 pad.294@7714.4,1204.6
  BottomLayer w6: R286.1@7538.2,1234.2 7553.6,1234.2 v1(7569.4,1250) ; R287.2@7538.6,1273.4 7546,1273.4 7590.6,1228.8 C129.1@7598.6,1228.8
NetR289_1: pad.265@7002.4,959.2 pad.275@6277.8,1925.7 pad.355 Q9B.3 R289.1 R368.2 | length 2319.7
  MidLayer2 w6: v3(6994.9,950.5) 7026.1,950.5 7099.1,877.5 7361.9,877.5 v1(7386.9,852.5)
  MidLayer3 w6: v1(6406.1,2041.9) 6422.5,2025.5 6585.2,2025.5 6614.4,1996.3 6715.2,1996.3 6815.3,1896.2 6815.3,1722.9 6840.3,1697.9 6840.3,1630.4 6869.4,1601.3 6869.4,1515.9 6908.2,1477.1 6908.2,1371.7 6836.9,1300.4 6836.9,1178 6994.9,1020 v3(6994.9,950.5)
  BottomLayer w6: R368.2@6278.6,1840 6278.6,1942.2 6315.2,1978.8 6364.4,1978.8 6370.25,1984.65 Q9B.3@6370.25,2018.5 6382.7,2018.5 v1(6406.1,2041.9) ; v1(7386.9,852.5) 7393.3,852.5 R289.1@7422.4,823.4